# KiCad board Amiga500 Actionreplay 5.kicad_pcb (continued)
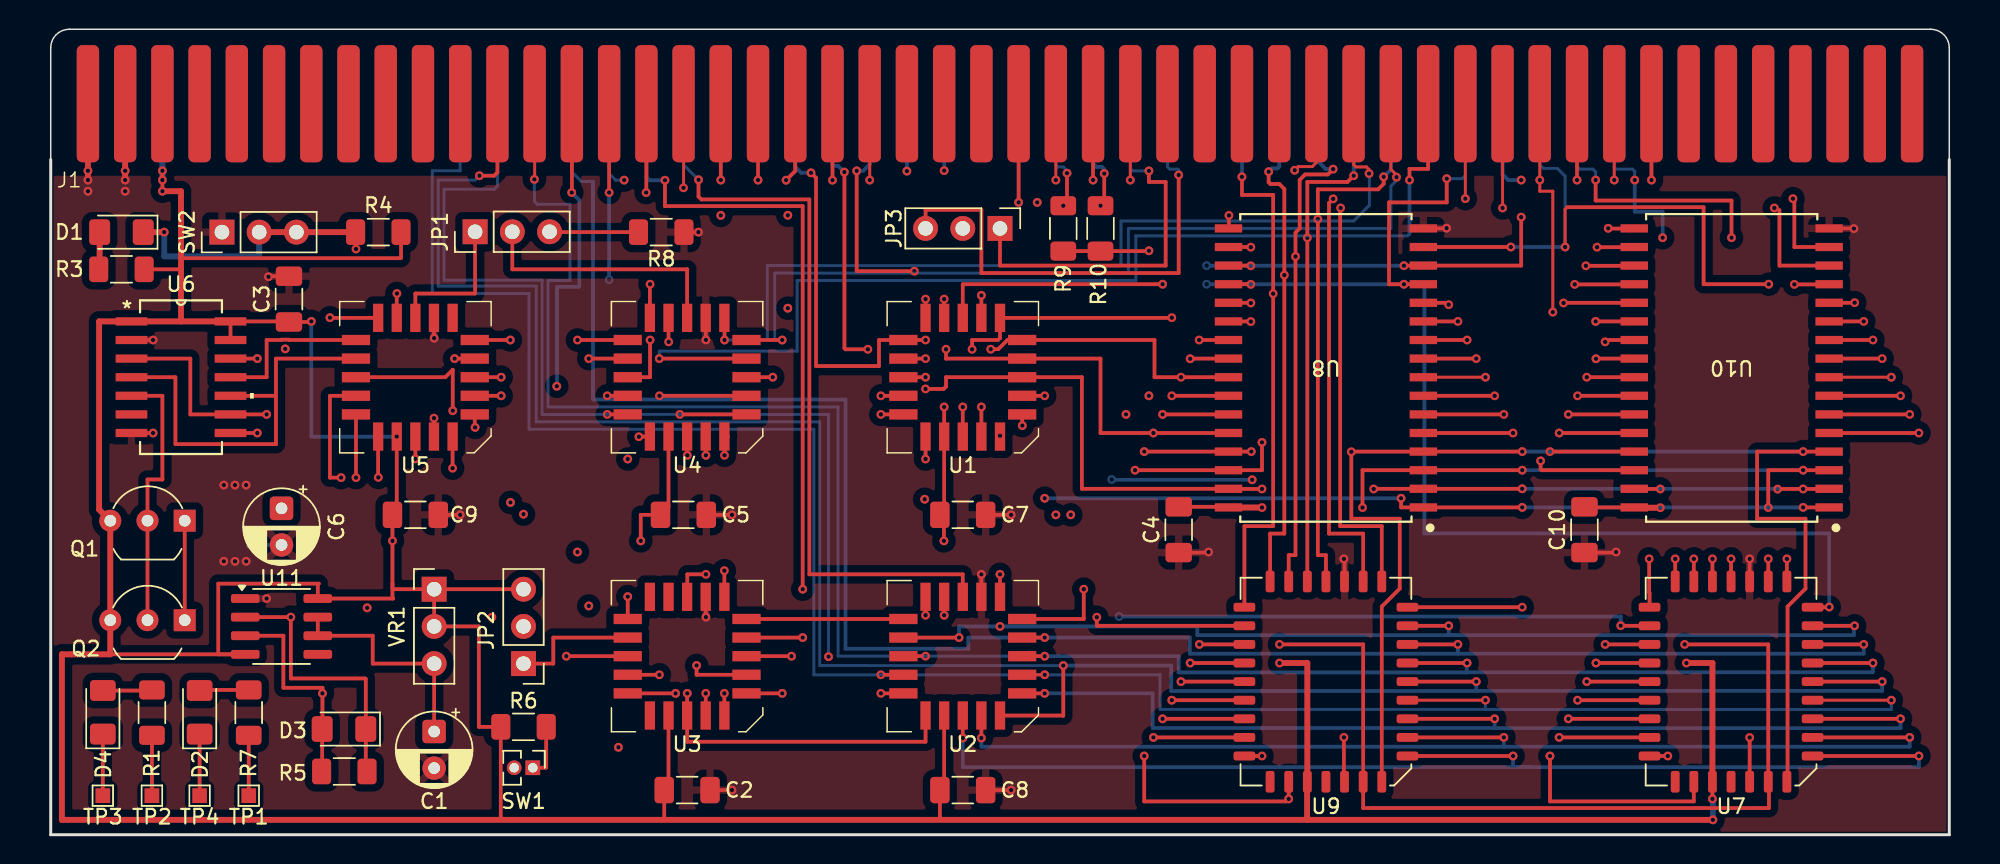
[diagram p0: board, top side]
## Routing (per net, layer and track width the routed paths; a pad name or vN(x,y) marks a point on that pad's centre or on a via; arc(x,y) is an arc through that point) (continued)
/A6: length 213.9
  Top w0.254: v1(126.21,7.92) U7.7 ; U10.7 126.21,29.97 v2(126.21,29.97) ; v1(98.52,7.92) U9.7 ; 93.65,29.97 98.52,29.97 v2(98.52,29.97) ; U2.4 v1(67.82,9.65)
  In1.Cu w0.2: 53.09,9.65 v3(53.07,9.67) v1(53.07,12.16)
  In1.Cu w0.254: v2(98.52,29.97) v1(98.52,7.92) ; v2(126.21,29.97) v1(126.21,7.92)
  In2.Cu w0.2: v1(67.82,9.65) 53.09,9.65 v3(53.07,9.67)
  Bottom w0.2: 53.07,12.36 53.07,28.7 33.53,28.7 33.53,37.85 33.51,37.87 26.84,37.87 26.84,44.07 30.25,44.07 30.48,44.3 J1.23
  Bottom w0.254: v1(67.82,9.65) 75.18,9.65 75.18,7.29 98.51,7.29 98.52,7.28 ; v1(126.21,7.92) 126.21,7.28 98.52,7.28 ; 98.52,7.28 v1(98.52,7.92)
/A7: length 210.7
  Top w0.254: 126.84,28.58 126.71,28.7 U10.6 ; v1(126.84,6.65) U7.6 ; v1(99.15,6.65) U9.6 ; 93.65,28.7 99.02,28.7 99.15,28.58 ; v1(35.55,43.85) 35.56,43.86 J1.28 ; U2.2 v1(63.5,6.6)
  In1.Cu w0.254: 99.15,28.58 v1(99.15,6.65) ; 126.84,28.58 v1(126.84,6.65) ; v3(33.66,9.78) 33.66,20.57 34.54,20.57 34.53,20.59 v1(34.53,30.62)
  In2.Cu w0.254: v3(33.66,9.78) 33.66,7.24 63.5,7.24 v1(63.5,6.6)
  Bottom w0.254: v1(63.5,6.6) 63.5,6.01 99.16,6.01 ; 99.16,6.01 126.84,6.01 v1(126.84,6.65) ; 99.16,6.01 99.15,6.02 v1(99.15,6.65) ; v1(34.53,30.62) 34.54,30.64 34.54,37.42 36.02,37.42 36.07,37.47 36.07,43.33 v1(35.55,43.85)
  vias: v2(99.15,28.7) v2(126.84,28.7)
/A8: length 225.5
  Top w0.254: v1(99.77,5.38) U9.5 ; 93.65,27.43 99.65,27.43 99.77,27.3 ; v1(127.47,5.38) U7.5 ; 127.47,27.3 127.34,27.43 U10.5 ; U2.1 v1(62.23,6.6) ; v1(38.1,43.85) J1.30
  In1.Cu w0.254: 127.47,27.3 127.47,8.12 v1(127.47,5.38) ; v3(33.66,37.85) 33.66,21.08 32.39,21.08 32.26,20.96 32.26,18.29 30.1,18.29 v1(30.1,14.85) ; 99.77,27.3 99.77,8.12 v1(99.77,5.38)
  In2.Cu w0.254: v1(62.23,6.6) 30.1,6.6 v1(30.1,14.85) ; v5(38.1,37.9) 38.05,37.85 v3(33.66,37.85)
  Bottom w0.254: 101.03,4.61 62.23,4.61 v1(62.23,6.6) ; 101.03,4.61 127.47,4.61 v1(127.47,5.38) ; 101.03,4.61 99.77,4.61 v1(99.77,5.38) ; v5(38.1,37.9) v1(38.1,43.85)
  vias: v2(99.77,27.43) v2(127.47,27.43)
/A9: length 163
  Top w0.254: v1(75.86,7.92) U9.27 ; v1(40.63,43.85) 40.64,43.87 J1.32 ; 107.24,28.7 v1(103.55,28.7) ; 79.44,28.7 v1(75.86,28.7) ; v1(75.86,37.59) 62.23,37.59 U1.11 ; 103.37,7.92 U7.27
  In1.Cu w0.254: v1(103.55,28.7) v1(103.55,7.92) ; v3(75.86,44.07) v1(75.86,37.59) v1(75.86,28.7) ; 75.86,28.39 v1(75.86,7.92)
  In2.Cu w0.254: v1(40.63,43.85) 40.64,43.84 40.64,43.69 40.77,43.56 62.86,43.56 62.86,43.05 64.52,43.05 64.52,43.94 75.73,43.94 v3(75.86,44.07) ; v1(75.86,7.92) 75.86,8.54 103.53,8.54 103.55,8.53 v1(103.55,7.92)
/A10: length 143.6
  Top w0.2: v2(43.18,44.18) 43.18,44.18 J1.34
  Top w0.254: v2(76.49,35.31) 76.48,35.29 U1.9 ; v1(76.49,9.19) U9.26 ; v1(104.18,9.19) U7.26 ; U1.9 64.78,35.31 ; U1.9 64.77,33.92 64.63,33.78 62.86,33.78 v2(62.86,33.15) ; v2(104.18,29.97) 107.24,29.97 ; v2(76.49,29.97) 79.44,29.97
  In1.Cu w0.254: v2(43.18,44.18) 43.18,44.17 v3(43.18,38.48) ; v2(104.18,29.97) v1(104.18,9.19) ; v2(62.86,33.15) v3(62.86,38.48) ; 76.49,29.66 v1(76.49,9.19) ; v2(76.49,29.97) v2(76.49,35.31)
  In2.Cu w0.254: v1(76.49,9.19) 76.49,9.81 104.16,9.81 104.18,9.8 v1(104.18,9.19) ; v3(62.86,38.48) v3(43.18,38.48)
/A11: length 133.1
  Top w0.254: 78.37,33.66 78.36,33.67 v2(78.36,33.78) U8.23 ; U10.23 106.19,33.78 v2(106.06,33.66) ; v4(59.69,36.58) U1.13 ; v1(106.06,13) U7.23 ; v1(78.37,13) U9.23 ; v1(45.72,44.7) J1.36
  In1.Cu w0.254: v1(50.29,35.95) v1(50.29,42.3) ; v2(106.06,33.66) v1(106.06,13) ; v1(45.72,42.29) v1(45.72,44.7) ; v1(78.37,13) 78.37,33.77 v2(78.36,33.78) 77.47,33.78 v3(77.47,36.58)
  In2.Cu w0.254: 59.69,35.78 50.46,35.78 v1(50.29,35.95) ; 59.69,35.78 72.01,35.78 72.01,36.58 72.01,36.58 v3(77.47,36.58) ; 59.69,35.78 v4(59.69,36.58) ; v1(106.06,13) 106.06,13.64 78.37,13.64 v1(78.37,13) ; v1(45.72,42.29) 45.73,42.3 v1(50.29,42.3)
/A12: length 132.4
  Top w0.254: v1(77.12,10.46) U9.25 ; v2(64.14,33.16) 64.65,33.16 65.28,33.78 U1.8 75.31,33.78 75.31,31.24 v2(77.12,31.24) 79.44,31.24 ; v1(48.26,44.7) J1.38 ; 107.79,31.24 v2(104.8,31.24) ; v1(104.8,10.46) U7.25
  In1.Cu w0.254: v2(104.8,31.24) v1(104.8,10.46) ; 77.12,31.12 v1(77.12,10.46) ; v3(63.5,44.1) 63.5,40.32 64.14,39.68 v2(64.14,33.16)
  In2.Cu w0.254: v1(48.26,44.7) 48.26,44.07 63.47,44.07 v3(63.5,44.1) ; v1(77.12,10.46) 77.12,11.08 104.8,11.08 104.8,11.08 v1(104.8,10.46)
/A13: length 153.3
  Top w0.254: U10.4 v1(119.57,26.16) 116.44,26.16 116.43,26.15 116.43,21.58 119.73,21.58 119.73,16.81 118.5,15.58 118.5,3.62 ; U9.4 90.82,15.58 92.04,16.81 92.04,21.58 88.74,21.58 v2(88.74,26.15) 88.75,26.16 U8.4 v1(100.4,26.16) ; v1(51.88,45.2) 52.22,44.86 52.22,32 56.52,32 56.52,33.78 U1.14 v4(59.69,33.78)
  In1.Cu w0.254: 88.77,33.15 v3(88.74,33.15) v2(88.74,26.15)
  In2.Cu w0.254: v4(59.69,33.78) 88.74,33.78 v3(88.74,33.15)
  Bottom w0.254: J1.39 50.8,45.6 51.2,45.2 v1(51.88,45.2) ; v1(100.4,26.16) v1(119.57,26.16)
/A14: length 134.4
  Top w0.254: 79.44,27.43 v1(75.24,27.43) 71.63,27.43 71.63,32.51 U1.7 61.09,32.51 v4(61.09,33.15) ; 102.74,6.65 108.28,6.65 ; v1(54.15,45.25) 54.16,45.25 54.16,33.22 54.23,33.15 v4(55.75,33.15) ; 107.24,27.43 v1(102.92,27.43) ; v1(75.24,6.65) U9.28
  In1.Cu w0.254: 102.92,27.3 v1(102.92,6.65) ; 75.24,27.12 v1(75.24,6.65)
  In2.Cu w0.254: v1(75.24,6.65) 75.24,7.29 102.91,7.29 102.92,7.27 v1(102.92,6.65) ; v4(61.09,33.15) v4(55.75,33.15)
  Bottom w0.254: v1(54.15,45.25) 53.73,45.68 53.4,45.68 53.34,45.73 J1.41
/A15: length 193.5
  Top w0.254: v2(110.33,5.38) 109.13,5.38 ; v2(58.93,38.48) 54.99,38.48 v1(54.99,45.33) ; v2(89.5,22.34) 89.5,24.89 U8.3 v1(100.4,24.89) ; v2(82.65,5.38) U9.29 ; U1.15 v4(59.69,32.51) ; U10.3 v1(119.57,24.89) 117.19,24.89 v2(117.19,22.34)
  In1.Cu w0.254: v2(117.19,22.34) 117.83,22.34 117.83,5.38 v2(110.33,5.38) 110.33,3.61 90.18,3.61 90.18,5.38 ; v2(89.5,22.34) 90.18,22.34 90.18,5.38 ; 90.18,5.38 v2(82.65,5.38) 82.65,3.77 82.48,3.61 73.91,3.61 ; 73.91,3.61 73.85,3.67 73.85,22.48 71.12,22.48 v3(71.12,32.51) ; 73.91,3.61 73.85,3.61 ; v4(59.69,32.51) 58.93,32.51 v2(58.93,38.48)
  In2.Cu w0.254: v3(71.12,32.51) v4(59.69,32.51)
  Bottom w0.254: v1(100.4,24.89) v1(119.57,24.89) ; v1(54.99,45.33) 55.43,45.33 55.88,45.78 J1.43
/A16: length 141.1
  Top w0.254: 108,23.62 108.01,23.61 v2(109.82,23.61) ; v2(111.48,13) 117.19,13 U7.3 117.23,3.57 117.23,1.82 89.55,1.82 U9.3 89.55,13 v2(83.84,13) ; v2(82.65,23.61) 80.37,23.61 U8.31 70.36,23.62 70.36,31.24 U1.6 61.09,31.24 61.09,30.61 60.92,30.44 v2(59.69,30.44)
  In1.Cu w0.254: 58.42,45.28 58.42,44.07 57.65,44.07 57.4,43.82 57.4,30.73 57.7,30.44 v2(59.69,30.44) ; v2(83.84,13) 83.84,23.61 v2(82.65,23.61) ; v2(109.82,23.61) 111.48,23.61 v2(111.48,13)
  Bottom w0.254: 58.42,45.28 J1.45
  vias: v1(58.42,45.31)
/A17: length 142.7
  Top w0.254: U9.2 88.23,3.66 v2(88.23,6.65) ; 115.96,3.61 115.92,3.65 v2(115.92,6.63) ; U1.16 v1(59.69,31.24) ; v2(90.27,23.61) 90.28,23.62 U8.2 v1(100.4,23.62) ; 117.95,23.6 v2(117.83,23.6) 117.84,23.61 v1(119.57,23.61) 121.34,23.61
  In1.Cu w0.254: v2(117.83,23.6) 114.02,23.6 114.02,6.63 v2(115.92,6.63) ; v2(90.27,23.61) 86.46,23.61 ; 86.46,23.61 86.46,6.65 v2(88.23,6.65) ; 86.46,23.61 86.46,24.24 81.98,24.24 v1(81.98,24.24) ; v1(60.96,45.35) 60.96,43.61 58.77,43.61 58.29,43.13 58.29,31.24 v1(59.69,31.24) ; v3(72.39,31.24) v6(72.39,24.26)
  In2.Cu w0.254: v3(72.39,31.24) v1(59.69,31.24)
  Bottom w0.254: v6(72.39,24.26) 72.39,24.24 v1(81.98,24.24) ; v1(100.4,23.62) 119.56,23.62 v1(119.57,23.61) ; v1(60.96,45.35) J1.47
/A18: length 84.3
  Top w0.254: v1(119.57,22.35) U10.1 ; v1(66.04,43.18) J1.52 ; 92.14,22.86 92.14,22.35 U8.1 v1(100.4,22.35) ; U1.5 v2(67.82,29.97)
  In1.Cu w0.254: v1(67.31,43.18) 67.31,37.59 67.82,37.59 v2(67.82,29.97) v1(67.82,22.98)
  In2.Cu w0.254: v1(67.31,43.18) v1(66.04,43.18)
  Bottom w0.254: v1(92.14,22.98) v1(67.82,22.98) ; v1(100.4,22.35) v1(119.57,22.35)
/A19: length 95.2
  Top w0.2: v1(68.58,44.7) J1.54
  Top w0.254: v4(73.98,24.89) U8.30 82.65,24.89 v1(82.65,26.79) ; v1(101.66,25.53) 101.66,24.96 101.73,24.89 U10.30 ; v2(56.64,29.97) U1.17
  In1.Cu w0.2: v3(57.4,44.7) 56.64,44.7 v2(56.64,29.97)
  In1.Cu w0.254: v3(55.88,24.89) 55.88,29.97 v2(56.64,29.97)
  In2.Cu w0.2: v1(68.58,44.7) v3(57.4,44.7)
  In2.Cu w0.254: v3(55.88,24.89) v4(73.98,24.89) ; v1(101.66,25.53) 101.6,25.58 101.6,26.79 v1(82.65,26.79)
/A20: length 27.3
  Top w0.254: v1(66.29,27.94) 66.28,27.95 U1.4 ; v1(71.12,44.7) J1.56
  In1.Cu w0.254: v1(71.12,44.7) 71.12,43.94 66.68,43.94 66.68,28.33 v1(66.29,27.94)
/A21: length 31.7
  Top w0.2: v1(73.66,44.7) J1.58
  In1.Cu w0.2: v1(73.66,44.7) 73.37,44.41 v1(73.37,28.7)
  In2.Cu w0.2: v1(64.77,27.24) 64.97,27.05 73.37,27.05 v1(73.37,28.7)
/A22: length 43
  Top w0.254: U1.2 v1(63.5,29.21) ; JP3.1 64.77,38.86 76.07,38.86 76.07,44.58 74.93,44.58 v1(74.93,45.33)
  In1.Cu w0.254: v1(63.5,29.21) 64.9,29.21 64.9,39.5 64.77,39.5 JP3.1
  Bottom w0.2: J1.57 73.67,49.91 73.67,45.48 73.82,45.33 v1(74.93,45.33)
/A23: length 51.8
  Top w0.254: JP3.3 59.69,42.67 63.5,42.67 63.5,38.35 76.96,38.35 v1(76.96,45.05) ; U1.1 v1(62.23,29.21)
  In1.Cu w0.254: v1(62.23,29.21) 62.23,39.24 59.69,39.24 JP3.3
  Bottom w0.2: v1(76.96,45.05) 76.98,45.06 76.98,45.38 76.9,45.45 76.35,45.45 76.2,45.6 J1.59
/D0: length 135.3
  Top w0.254: v1(121.35,15.55) 121.33,15.54 U7.13 ; U4.17 v4(37.97,29.97) ; U8.13 92.33,37.59 v1(92.33,37.59) 91.32,37.59 91.31,37.59 91.31,43.18 95.25,43.18 v1(95.25,44.8)
  In1.Cu w0.254: v3(37.97,34.42) v4(37.97,29.97)
  In2.Cu w0.254: v3(37.97,34.42) 37.97,34.87 72.95,34.87 72.95,35.5 78.87,35.5 v5(78.87,37.59)
  Bottom w0.2: v1(95.25,44.8) 96.3,44.8 96.52,45.02 J1.75
  Bottom w0.254: v1(121.35,15.55) 121.35,20.57 93.73,20.57 93.73,37.59 92.33,37.59 v1(92.33,37.59) 78.87,37.59 v5(78.87,37.59)
/D1: length 130.3
  Top w0.254: v1(100.33,42.17) 100.33,38.86 U8.14 92.33,38.86 v1(92.33,38.86) ; v4(37.97,28.7) U4.18 ; U7.14 v4(118.46,18.84)
  In1.Cu w0.254: v4(37.97,28.7) 37.34,28.7 v3(37.34,35.18) ; v1(100.33,44.7) v1(100.33,42.17)
  In2.Cu w0.254: v4(118.46,18.84) 118.46,42.17 v1(100.33,42.17) ; v3(37.34,35.18) 37.34,35.33 72.5,35.33 72.5,35.95 78.23,35.95 78.23,38.86 v5(78.87,38.86)
  Bottom w0.254: J1.77 99.06,45.09 99.45,44.7 v1(100.33,44.7) ; v5(78.87,38.86) 78.87,38.86 v1(92.33,38.86)
/D2: length 62.9
  Top w0.2: 103.48,42.85 103.33,42.7 103.33,40.15
  Top w0.254: 103.48,42.85 112.78,42.85 112.78,37.59 v1(117.22,37.59) ; U7.15 v4(117.19,18.84) ; 99.7,40.13 v1(99.63,40.13) U8.15
  In2.Cu w0.254: v4(117.19,18.84) 117.19,37.56 v1(117.22,37.59)
  Bottom w0.2: 103.33,40.15 103.33,44.98 102.8,45.5 101.85,45.5 101.6,45.75 J1.79
  Bottom w0.254: v1(99.63,40.13) 103.31,40.13 103.33,40.15
  vias: v1(103.33,40.13)
/D3: length 71.3
  Top w0.254: v4(80.39,42.29) 80.39,41.43 U8.17 ; v1(105.41,44.7) 105.41,43.31 114.68,43.31 v1(114.68,40.77) ; U7.17 v4(114.65,18.84)
  In2.Cu w0.254: v4(114.65,18.84) 114.65,40.74 v1(114.68,40.77) ; v1(105.41,44.7) 105.41,44.07 80.39,44.07 v4(80.39,42.29)
  Bottom w0.2: v1(105.41,44.7) 105.41,45.27 105.23,45.45 104.33,45.45 104.14,45.64 J1.81
/D4: length 69.5
  Top w0.254: U7.18 v4(113.38,18.84) ; v4(81.88,40.12) 81.87,40.13 U8.18
  In2.Cu w0.254: v1(109.98,40.77) 113.41,40.77 113.41,40.15 113.38,40.12 v4(113.38,18.84) ; 88.39,40.77 88.39,40.12 v4(81.88,40.12) ; 88.4,40.78 109.99,40.78
  Bottom w0.2: J1.83 106.68,45.57 106.8,45.45 107.92,45.45 108.08,45.3 v1(108.08,44.7)
  Bottom w0.254: v1(109.98,40.77) 109.98,42.55 108.08,42.55 v1(108.08,44.7)
/D5: length 68
  Top w0.254: U7.19 v4(112.11,18.84) ; U8.19 81.87,38.86 v4(81.88,38.85) ; v1(109.22,44.7) J1.86
  In1.Cu w0.254: v3(112.14,39.5) 112.14,42.93 112.09,42.97 109.22,42.97 v1(109.22,44.7)
  In2.Cu w0.254: v4(81.88,38.85) 88.39,38.85 88.39,39.5 v3(112.14,39.5) 112.14,38.88 112.11,38.85 v4(112.11,18.84)
/D6: length 66.5
  Top w0.2: v1(106.68,44.7) J1.84
  Top w0.254: v4(81.88,37.58) 81.87,37.59 U8.20 ; U7.20 v4(110.84,18.84)
  In1.Cu w0.2: v3(109.35,38.23) 109.35,42.55 106.68,42.55 v1(106.68,44.7)
  In2.Cu w0.254: v4(81.88,37.58) 88.39,37.58 88.39,38.23 110.87,38.23 110.87,37.61 110.84,37.58 v4(110.84,18.84)
/D7: length 68.5
  Top w0.254: U8.21 81.87,36.32 v4(81.88,36.31) ; U7.21 109.09,16.53 109.06,16.55 v4(109.06,18.84) ; v1(104.14,44.7) J1.82
  In1.Cu w0.254: v3(104.9,36.95) 104.9,37.59 106.81,37.59 106.93,37.72 106.93,42.04 104.14,42.04 v1(104.14,44.7)
  In2.Cu w0.254: v4(81.88,36.31) 88.39,36.31 88.39,36.96 109.09,36.96 109.09,36.34 109.06,36.31 v4(109.06,18.84)
/D8: length 66.2
  Top w0.2: v1(102.49,35.69) 102.49,43.94 101.6,43.94 v1(101.6,44.7) J1.80
  Top w0.254: U10.13 121.33,37.58 v2(118.97,37.58) ; v2(100.4,15.54) U9.13
  In1.Cu w0.2: v1(101.6,44.7) 101.6,44.96
  In1.Cu w0.254: v2(118.97,37.58) 118.97,35.69 103.48,35.69 103.48,35.68 102.96,35.68 102.96,35.69 v1(102.49,35.69) 101.03,35.69 101.03,35.55 101.03,35.55 101.03,15.55 101.01,15.54 v2(100.4,15.54)
/D9: length 72.7
  Top w0.2: v1(99.06,42.8) J1.78
  Top w0.254: v4(88.01,42.8) 87.98,42.77 87.98,21.07 90.82,21.07 U9.14 ; 117.95,42.66 117.95,38.86 U10.14
  In2.Cu w0.254: 117.95,42.66 117.81,42.8 v4(88.01,42.8) 87.98,42.8
  vias: v4(117.6,42.8)
/D10: length 72.2
  Top w0.2: v1(96.52,43.43) J1.76
  Top w0.254: 118.97,43.42 118.97,40.13 U10.15 ; v4(87.5,43.42) 87.22,43.14 87.22,20.56 89.55,20.56 U9.15
  In2.Cu w0.254: v4(87.5,43.42) 87.51,43.43 118.96,43.43 118.97,43.42
  vias: v4(118.87,43.43)
/D11: length 59.9
  Top w0.254: U9.17 87.01,19.09 86.46,19.09 v4(86.46,42.04) 86.46,44.07 90.57,44.07 90.95,44.45 v1(90.95,44.93) ; U10.17 108.03,41.39 106.27,41.39
  In2.Cu w0.254: 86.45,42.07 96.52,42.07 ; 96.52,42.04 96.52,41.4 96.53,41.39 106.27,41.39
  Bottom w0.254: J1.71 91.44,45.42 v1(90.95,44.93)
  vias: v1(106.27,41.41)
/D12: length 58.1
  Top w0.254: 105.76,40.12 108.03,40.12 U10.18 ; v1(88.9,45) 88.48,44.58 85.74,44.58 v2(85.74,40.76) ; 85.74,40.64 U9.18
  In1.Cu w0.254: v2(105.51,40.12) 105.51,40.76 v2(85.74,40.76)
  Bottom w0.254: v1(88.9,45) J1.69
/D13: length 59.3
  Top w0.254: U10.19 108.03,38.85 v2(104.74,38.85) ; U9.19 84.47,19.09 84.93,19.09 v2(84.93,39.49) 84.93,41.12 85.22,41.4 85.22,44.72 85.59,45.09 87.14,45.09 v1(87.5,45.45)
  In1.Cu w0.254: v2(104.74,38.85) 104.74,39.49 85.19,39.49
  Bottom w0.254: v1(87.5,45.45) 87,45.45 86.36,46.09 J1.67
/D14: length 59.4
  Top w0.254: U10.20 108.03,37.58 v2(103.98,37.58) ; v1(83.1,45.28) 83.1,44.55 83.21,44.44 83.83,44.44 84.17,44.09 v2(84.17,38.22) 84.17,20.56 83.2,20.56 U9.20
  In1.Cu w0.254: v2(103.98,37.58) 103.98,38.22 v2(84.17,38.22)
  Bottom w0.254: J1.65 83.83,49.92 83.83,45.62 83.7,45.5 83.33,45.5 v1(83.1,45.28)
/D15: length 63.8
  Top w0.254: v1(81.28,44.93) 81.28,44.92 81.28,43.69 83.41,43.69 v2(83.41,36.95) 83.41,21.07 81.45,21.07 U9.21 ; 108.03,36.31 U10.21 ; 103.22,36.32 108.03,36.32
  In1.Cu w0.254: v2(83.41,36.95) 103.22,36.95 v2(103.22,36.31)
  Bottom w0.254: J1.63 81.28,44.93 v1(81.28,44.93)
/R_W: length 182.6
  Top w0.2: J1.68 86.36,45.91 86.08,45.62 85.13,45.62 v1(84.88,45.38)
  Top w0.254: v1(74.61,5.38) 74.61,2.27 84.3,2.27 v1(84.47,2.45) U9.31 ; U8.29 v1(81.92,26.16) ; 79.44,26.16 v1(74.61,26.16) ; 102.3,5.33 102.3,2.27 112.11,2.27 U7.31 ; 107.24,26.16 v2(102.3,26.16) ; v4(26.15,28.45) U5.2 ; 102.16,5.33 102.12,5.38
  In1.Cu w0.2: v1(84.88,45.38) 84.17,44.67 82.88,44.67 82.8,44.68 82.68,44.55 82.68,27.43 81.92,27.43 v1(81.92,26.16)
  In1.Cu w0.254: v2(102.3,26.16) v1(102.3,5.38) ; 74.61,25.85 v1(74.61,5.38)
  In2.Cu w0.254: v4(26.15,28.45) 26.16,28.44 26.16,26.54 47.75,26.54 47.75,26.16 v1(74.61,26.16) ; 84.52,2.29 84.47,2.34 ; v1(102.3,5.38) 102.3,1.82 84.48,1.82 84.47,1.83 v1(84.47,2.45)
/~{AS}: length 111.6
  Top w0.254: J1.74 93.98,45.47 92.71,45.47 v1(92.71,44.7) ; v1(41.52,32.51) U4.7 ; U5.1 v1(24.88,25.67) ; U3.14 v1(39.37,16.26)
  In1.Cu w0.254: v1(41.52,32.51) 41.52,30.74 41.53,30.73 41.4,30.61 39.37,30.61 v1(39.37,25.65) v1(39.37,16.26)
  In2.Cu w0.254: v1(24.88,25.67) 24.89,25.65 v1(39.37,25.65)
  Bottom w0.2: 41.53,32.51 41.53,33.02 50.93,33.02 50.93,37.85 74.04,37.85 74.04,40.89 92.58,40.89 92.71,41.03
  Bottom w0.254: 92.71,41.03 v1(92.71,44.7)
/~{FC0}: length 50.8
  Top w0.254: v1(41.91,44.69) 41.91,42.93 51.31,42.93 v1(51.31,16.76) ; v1(51.31,13.46) U3.7
  In1.Cu w0.254: v1(51.31,16.76) v1(51.31,13.46)
  Bottom w0.254: v1(41.91,44.69) 40.86,44.69 40.65,44.9 40.65,49.91 J1.31
/~{FC1}: length 52
  Top w0.254: v1(44.2,44.73) 44.2,43.58 44.39,43.38 51.76,43.38 51.76,17.78 62.23,17.78 U2.11
  Bottom w0.2: v1(44.2,44.73) 43.18,45.75 43.18,49.92 J1.33
/~{HLT}: length 92
  Top w0.254: U5.16 26.92,31.24 27.43,31.75 v1(27.43,28.96) ; v1(71.63,42.95) 71.88,43.21 v1(71.88,45.15) 71.88,45.34
  In1.Cu w0.254: v3(32.26,28.96) v1(32.26,21.89) ; v1(71.63,42.95) 71.63,41.4 69.6,41.4 v1(69.6,21.84)
  In2.Cu w0.254: v1(69.6,21.84) 69.6,20.76 45.21,20.76 45.21,21.84 45.17,21.89 v1(32.26,21.89) 32.3,21.84 ; v1(27.43,28.96) v3(32.26,28.96)
  Bottom w0.254: J1.55 71.12,45.83 71.35,45.6 71.73,45.6 71.85,45.48 71.85,45.18 v1(71.88,45.15)
/~{IPL0}: length 71.6
  Top w0.254: v1(50.17,44.7) 50.8,45.32 J1.40 ; U5.17 19.05,29.97 19.05,24.38 v1(19.81,24.38)
  In1.Cu w0.254: v1(50.17,44.7) 50.81,44.7 51,44.5 52.58,44.5 52.58,23.32 v3(52.76,23.15)
  In2.Cu w0.254: v1(19.81,24.38) 19.81,23.37 19.86,23.32 52.59,23.32 v3(52.76,23.15)
/~{IPL1}: length 63.8
  Top w0.254: v1(53.34,44.7) J1.42 ; U5.18 v4(20.83,24.38)
  In1.Cu w0.254: v1(53.34,44.7) 53.34,23.97 v3(53.54,23.77)
  In2.Cu w0.254: v3(53.54,23.77) 53.54,23.77 20.93,23.77 20.83,23.88 v4(20.83,24.38)
/~{IPL2}: length 61.7
  Top w0.2: v1(55.88,44.7) J1.44
  Top w0.254: U5.19 22.34,24.41 v4(22.35,24.4)
  In1.Cu w0.2: v3(54.11,24.38) 54.1,24.39 54.1,44.33 54.47,44.7 v1(55.88,44.7)
  In2.Cu w0.254: v3(54.11,24.38) 54.09,24.4 v4(22.35,24.4)
/~{LDS}: length 85.5
  Top w0.2: J1.70 88.9,45.75 89.05,45.6 89.77,45.6 89.95,45.43 v1(89.95,45.15)
  Top w0.254: v2(44.7,17.78) 43.43,17.78 43.43,16.51 43.42,16.5 U3.11 ; U4.9 45.97,35.28 v1(45.97,33.78)
  In1.Cu w0.254: v1(45.97,33.78) 47.74,33.78 47.74,19.81 44.7,19.81 v2(44.7,17.78)
  Bottom w0.2: v1(45.97,33.78) 48.89,33.78 48.89,38.86 73.03,38.86 73.03,41.91 88.9,41.91 89.98,42.98 89.98,45.12 v1(89.95,45.15)
/~{OE}: length 165.7
  Top w0.254: v1(77.75,32.5) 77.76,32.51 U8.24 ; 47.73,31.24 v1(49.26,31.24) ; U5.12 23.61,36.95 v4(23.62,36.96) ; U7.24 v1(105.43,11.73) ; U10.24 105.52,32.51 105.51,32.5 v1(105.43,32.5) ; U9.24 v1(77.75,11.73) ; U3.9 v2(45.96,18.03)
  In1.Cu w0.254: v3(49.28,36.96) 49.28,31.24 ; v2(45.96,18.03) 49.26,18.03 v1(49.26,31.24) ; v1(77.75,32.5) v1(77.75,11.73) ; v1(105.43,32.5) v1(105.43,11.73)
  In2.Cu w0.254: v1(105.43,11.73) 105.43,12.35 105.43,12.35 77.75,12.35 v1(77.75,11.73) ; v1(49.26,31.24) 49.26,31.88 77.6,31.88 77.6,32.5 v1(77.75,32.5) ; v4(23.62,36.96) v3(49.28,36.96)
  Bottom w0.254: 49.28,31.24 v1(49.26,31.24)
/~{RST}: length 82.2
  Top w0.254: U5.8 v1(31.36,33.78) ; 69.34,45.34 v1(69.34,45.18) 69.34,43.21 v1(69.09,42.95)
  In1.Cu w0.254: v1(68.58,21.84) 68.58,42.93 69.06,42.93 v1(69.09,42.95) ; v1(31.37,22.69) 31.37,22.82 31.36,22.83 v1(31.36,33.78)
  In2.Cu w0.254: v1(68.58,21.84) 68.58,21.22 47.75,21.22 47.75,22.69 v1(31.37,22.69)
  Bottom w0.2: J1.53 68.58,45.75 68.73,45.6 69.1,45.6 69.34,45.36 v1(69.34,45.18)
/~{UDS}: length 88.1
  Top w0.2: v1(91.83,44.9) 91.83,45.05 91.44,45.44 J1.72
  Top w0.254: U3.4 v1(49.91,9.65) ; U4.8 v1(49.91,33.78)
  In1.Cu w0.254: v1(49.91,33.78) v1(49.91,9.65)
  Bottom w0.2: v1(91.83,44.9) 91.83,44.68 91.44,44.29 91.44,41.4 73.53,41.4 73.53,38.35 49.4,38.35 49.4,33.78 v1(49.91,33.78)
  Bottom w0.254: v1(49.91,33.78) 50.04,33.78
Net-(D1-A): length 2.6
  Top w0.4: D1.2 3.34,38.67 R3.1
Net-(D1-K): length 39.4
  Top w0.254: v2(20.83,40) 20.83,41.12 R4.1 ; U5.6 v1(30.73,31.24)
  Top w0.4: D1.1 v1(7.75,41.15) ; R4.1 SW2.3 SW2.2
  In1.Cu w0.254: v2(20.83,40) 20.83,37.85 30.73,37.85 v1(30.73,31.24)
  Bottom w0.4: SW2.2 14.22,39.5 7.75,39.5 v1(7.75,41.15)
Net-(D2-A): length 3.4
  Top w0.254: R7.1 10.2,9.89 D2.2
Net-(D2-K): length 4.2
  Top w0.254: TP4.1 D2.1
Net-(D3-A): length 57.5
  Top w0.254: U5.5 v1(30.73,29.97) ; U11.3 15.88,13.59 15.88,10.03 18.54,10.03 18.54,7.24 D3.2 18.52,4.36 R5.1
  In1.Cu w0.254: v1(18.54,9.65) 18.54,9.14 34.54,9.14 v3(34.54,19.3) ; v1(30.73,29.97) v3(30.73,19.3)
  In2.Cu w0.254: v3(30.73,19.3) v3(34.54,19.3)
Net-(D3-K): length 28.4
  Top w0.254: U11.2 v1(16.38,14.86) 16.38,10.67 21.46,10.67 21.5,10.63 D3.1 21.5,4.4 R5.2
  In1.Cu w0.254: C6.1 17.15,22.29 17.15,17.65 16.38,17.65 v1(16.38,14.86)
Net-(D4-A): length 3.4
  Top w0.254: D4.2 6.87,9.85 R1.1
Net-(D4-K): length 4.2
  Top w0.254: TP3.1 D4.1
Net-(JP1-A): length 49.3
  Top w0.254: U5.11 24.88,36.95 24.89,36.96 28.96,36.96 JP1.1 ; U3.16 v1(35.18,12.19)
  In1.Cu w0.254: v1(35.18,12.19) v3(35.18,38.61) ; v3(28.96,38.61) JP1.1
  In2.Cu w0.254: v3(35.18,38.61) v3(28.96,38.61)
Net-(JP1-B): length 6.1
  Top w0.254: JP1.3 34.06,41.15 R8.2
Net-(JP1-C): length 17.8
  Top w0.254: U4.11 43.42,38.6 43.43,38.61 31.5,38.61 JP1.2
Net-(JP2-A): length 8.9
  Top w0.254: JP2.1 34.29,11.68 34.29,13.46 U3.15
Net-(JP2-C): length 17.8
  Top w0.254: U5.4 28.93,27.84 v1(28.96,27.81)
  In1.Cu w0.254: v1(28.96,27.81) 28.96,14.22 JP2.2
Net-(JP3-C): length 79.8
  Top w0.254: Q1.1 Q2.1
  In1.Cu w0.254: v3(10.03,38.35) 10.03,22.99 9.14,22.99 Q1.1
  In2.Cu w0.254: v3(10.03,38.35) 10.03,39.24 62.23,39.24 JP3.2
Net-(Q1-G): length 45
  Top w0.254: U6.5 7.62,29.97 7.62,24.26 6.6,24.26 Q1.2 Q2.2 ; U5.3 v4(27.42,25.03)
  In2.Cu w0.254: v4(27.42,25.03) 6.6,25.03 Q1.2
Net-(R1-Pad2): length 4.1
  Top w0.254: TP2.1 R1.2
Net-(R7-Pad2): length 4.1
  Top w0.254: TP1.1 R7.2
Net-(SW1-Pin_1): length 32
  Top w0.254: R6.2 33.81,4.6 33.78,4.57 SW1.1 ; U3.6 v1(50.55,12.19)
  In1.Cu w0.254: v1(50.55,12.19) v3(50.55,4.57)
  In2.Cu w0.254: v3(50.55,4.57) SW1.1
Net-(U1-IO1): length 17.8
  Top w0.254: U1.19 v2(59.69,25.65) ; U2.16 v2(59.69,12.19)
  In1.Cu w0.254: v2(59.69,25.65) 60.32,25.65 60.32,12.19 v2(59.69,12.19)
Net-(U1-IO2): length 20.9
  Top w0.254: U1.18 v2(56.64,28.7) ; U2.17 v2(56.64,10.92)
  In1.Cu w0.254: v2(56.64,28.7) v2(56.64,10.92)
Net-(U1-IO8): length 38.6
  Top w0.254: U1.12 v4(60.96,36.58) ; U2.18 v2(56.64,9.65)
  In1.Cu w0.254: v2(56.64,9.65) 54.99,9.65 v3(54.99,36.83)
  In2.Cu w0.254: v3(54.99,36.83) 54.99,37.21 60.96,37.21 v4(60.96,36.58)
Net-(U2-I8): length 59.4
  Top w0.254: v4(40.89,37.59) 40.88,37.58 U4.13 ; U2.8 70.48,14.73 v2(70.48,16.76)
  In1.Cu w0.254: v3(70.48,36.96) 70.48,16.63 v2(70.48,16.76)
  In2.Cu w0.254: v3(70.48,36.96) 70.48,37.72 41.02,37.72 v4(40.89,37.59)
Net-(U2-I9): length 49.8
  Top w0.254: U4.14 v2(35.94,33.78) ; v1(64.77,17.78) U2.9
  In1.Cu w0.254: v2(35.94,33.78) v1(35.94,19.3)
  In2.Cu w0.254: v1(64.77,17.78) 64.77,19.3 v1(35.94,19.3)
Net-(U2-IO1): length 38.9
  Top w0.254: v1(43.43,9.65) 43.42,9.64 U3.1 43.42,6.35 59.69,6.35 U2.19 ; v1(43.43,25.91) 43.43,27.18 U4.1
  In1.Cu w0.254: v1(43.43,9.65) v1(43.43,25.91)
Net-(U2-IO6): length 10.7
  Top w0.254: U2.14 U3.8
Net-(U2-IO7): length 50.4
  Top w0.254: v1(44.7,25.91) 44.69,25.92 U4.2 ; U2.13 v4(59.69,14.99) ; U3.2 v4(44.69,9.65)
  In1.Cu w0.254: v1(59.63,22.91) 59.69,22.85 v4(59.69,14.99)
  In2.Cu w0.254: v1(44.7,25.91) 44.7,25.02 54.74,25.02 54.74,22.86 59.69,22.86 ; v4(59.69,14.99) 45.33,14.99 45.33,14.24 45.34,14.23 45.34,9.92 45.33,9.91 45.33,9.65 v4(44.69,9.65)
Net-(U2-IO8): length 51.8
  Top w0.254: U3.3 v4(45.96,9.65) ; v4(45.97,25.91) 45.97,27.19 46.22,27.19 ; U2.12 v1(60.96,14.99)
  In1.Cu w0.254: v1(60.96,14.99) 61.6,14.99 v3(61.6,23.62)
  In2.Cu w0.254: v1(60.96,14.99) 60.96,14.35 45.96,14.35 v4(45.96,9.65) ; v4(45.97,25.91) 45.97,25.53 55.25,25.53 55.25,23.62 v3(61.6,23.62)
Net-(U3-I03): length 27.2
  Top w0.254: U4.5 v2(41.54,29.97) ; v2(41.53,10.92) U3.17
  In1.Cu w0.254: v2(41.53,10.92) 41.53,29.96 v2(41.54,29.97)
Net-(U3-I5): length 56.1
  Top w0.254: U5.13 19.06,35.29 v1(19.05,35.31) ; v1(44.07,11.56) 44.07,10.92 U3.5
  In1.Cu w0.254: v1(21.59,15.49) 21.59,17.53 19.05,17.53 v1(19.05,35.31)
  In2.Cu w0.254: v1(21.59,15.49) 35.43,15.49 35.43,14.48 36.7,14.48 36.7,11.56 v1(44.07,11.56)
Net-(U3-IO2): length 27
  Top w0.254: v1(42.63,9.65) U3.18 ; U4.4 v2(42.93,28.7)
  In1.Cu w0.254: v1(42.63,9.65) 42.81,9.82 42.81,28.58 v2(42.93,28.7)
Net-(U4-IO4): length 47.8
  Top w0.254: v4(40.89,33.78) 40.89,31.24 U4.16 ; v4(81.88,35.04) 81.87,35.05 U8.22
  In2.Cu w0.254: v4(40.89,33.78) 40.89,34.42 73.41,34.42 73.41,35.04 v4(81.88,35.04)
Net-(U4-IO5): length 65.6
  Top w0.254: U9.22 71.39,14.27 71.37,14.28 v4(71.37,14.85) ; U4.15 v2(36.71,32.51)
  In1.Cu w0.254: v1(36.71,15.62) v2(36.71,32.51)
  In2.Cu w0.254: v1(36.71,15.62) 71.37,15.62 v4(71.37,14.85)
Net-(U4-IO8): length 88
  Top w0.254: v2(42.16,33.66) 42.15,33.67 U4.12 ; U7.22 107.13,14.27 v1(107.12,14.28)
  In1.Cu w0.254: v3(42.16,17.71) v2(42.16,33.66)
  In2.Cu w0.254: v3(42.16,17.71) 42.16,16.08 64.46,16.08 64.52,16.13 72.9,16.13 v5(72.9,14.9)
  Bottom w0.254: v5(72.9,14.9) 107.12,14.9 v1(107.12,14.28)
Net-(U5-I7): length 32.6
  Top w0.254: U6.3 9.53,32.51 9.53,28.7 U6.9 v1(14.73,28.7) ; v1(27.56,32.51) U5.7
  In1.Cu w0.254: v1(14.73,28.7) 16,28.7 v1(16,33.18) ; 27.69,32.64 v1(27.56,32.51)
  In2.Cu w0.254: v1(16,33.18) 27.56,33.18 v1(27.56,32.51)
Net-(U5-IO5): length 28.8
  Top w0.254: U6.10 15.37,29.97 ; U5.15 15.37,32.51 15.37,26.67 8.51,26.67 8.51,31.24 U6.4
Net-(U5-IO6): length 11.1
  Top w0.254: U5.14 16.29,33.78 16.26,33.81 15.74,33.81 15.72,33.78 14.73,33.78 14.73,31.24 U6.11
Net-(U6B-D): length 8.7
  Top w0.254: U6.12 v1(14.1,32.51) ; U6.8 v1(14.1,27.43)
  In1.Cu w0.254: v1(14.1,32.51) v1(14.1,27.43)
Net-(U10-~{CE}): length 77.7
  Top w0.254: U4.19 40.14,27.19 v4(40.13,27.18) ; U10.22 v1(105.41,35.05)
  In1.Cu w0.254: v3(74.17,28.7) v3(74.17,34.41)
  In2.Cu w0.254: v3(74.17,34.41) 105.41,34.41 v1(105.41,35.05) ; v3(74.17,28.7) 74.17,26.62 48.26,26.62 48.26,27.18 v4(40.13,27.18)
Net-(U11-DIS): length 15.8
  Top w0.254: 18.22,14.86 18.22,13.59 21.97,13.59 21.97,11.68 VR1.3 C1.1

## Copper pours and planes (outline as drawn; the poured copper is in the pictures)
+5V on Bottom: 1.78,46.23 1.78,43.56 3.3,43.56 3.3,46.23
+5V on Bottom: 6.86,46.23 6.86,43.56 8.38,43.56 8.38,46.23
+5V on Bottom: 4.32,46.23 4.32,43.56 5.84,43.56 5.84,46.23
GND on Top, Bottom, In1.Cu, In2.Cu: 0,45 129.54,45 129.54,0 0,0
